# Altium PCB Connect.PcbDoc (part 2 of 2)
Units mm, origin at the board's own origin, x right, y up, seen from the top; angles counter-clockwise.
Board outline 480 x 50 mm, 2 copper layers (Top Layer, Bottom Layer); 349 components, 200 nets, 1147 pads, 734 vias.
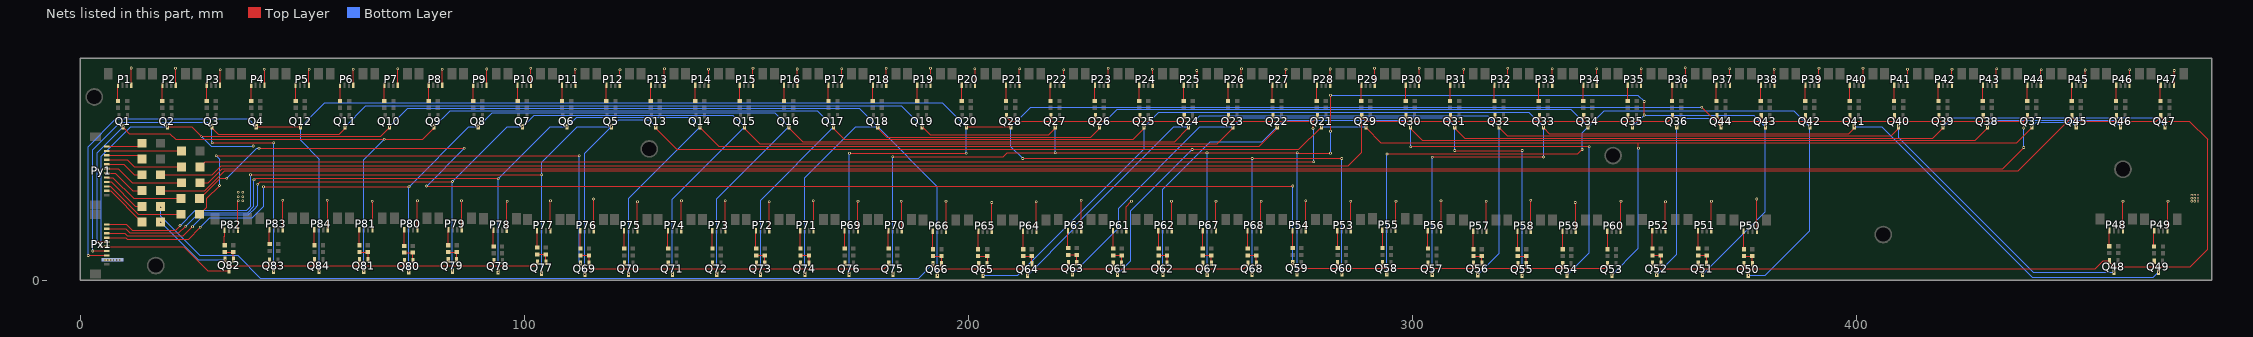
[diagram p2: the nets of this part, all layers, seen from the top]

## Via types
v1: diameter 1.27, hole 0.711, Top Layer to Bottom Layer, tented both sides, 396 vias
v2: diameter 0.6, hole 0.3, Top Layer to Bottom Layer, 231 vias
v3: diameter 0.5, hole 0.3, Top Layer to Bottom Layer, 107 vias

## Nets (pads, with @x,y where several pads share a name; then routed paths per layer and width w, separated by ;. In a path a pad name is that pad's centre, name@x,y a point inside that pad or via, vN(x,y) a via of type N, cw(c..) or ccw(c..) an arc to the next point about the centre after c; other vN are vias at no path point) (continued)
NetD4_1: D4.1 Q21.2 Q22.2 Q23.2 Q24.2 Q25.2 Q26.2 Q27.2 Q28.2 | length 339.4
  Top Layer w0.254: D4.1@26.992,25.527 28.135,26.67 v2(277.749,26.67) ; Q28.2@208.621,37.064 208.621,36.743 209.55,35.814 218.567,35.814 ; Q27.2@218.617,37.064 218.617,35.864 218.567,35.814 ; Q26.2@228.613,37.064 228.613,35.827 228.6,35.814 ; Q25.2@238.609,37.064 238.609,35.838 238.633,35.814 ; Q24.2@248.605,37.064 248.605,35.875 248.666,35.814 ; Q23.2@258.601,37.064 258.601,35.843 258.572,35.814 ; Q22.2@268.597,37.064 268.597,35.822 268.605,35.814 ; v2(277.622,34.163) 277.622,35.814 ; Q21.2@278.593,37.064 278.593,36.785 277.622,35.814 ; 218.567,35.814 228.6,35.814 ; 228.6,35.814 238.633,35.814 ; 238.633,35.814 248.666,35.814 ; 248.666,35.814 258.572,35.814 ; 258.572,35.814 268.605,35.814 ; 268.605,35.814 277.622,35.814
  Bottom Layer w0.254: v2(277.622,34.163) 277.749,34.036 v2(277.749,26.67)
NetD5_1: D5.1 Q29.2 Q30.2 Q31.2 Q32.2 Q33.2 Q34.2 Q35.2 Q36.2 | length 359.5
  Top Layer w0.254: D5.1@18.102,23.749 29.718,23.749 31.75,25.781 285.496,25.781 288.589,28.874 Q29.2@288.589,36.785 ; Q29.2@288.589,37.064 Q29.2@288.589,36.785 ; Q30.2@298.585,37.064 298.585,35.822 298.577,35.814 ; Q31.2@308.581,37.064 308.581,35.843 308.61,35.814 ; Q32.2@318.577,37.064 318.577,35.875 318.516,35.814 ; Q33.2@328.573,37.064 328.573,35.838 328.549,35.814 ; Q34.2@338.569,37.064 338.569,35.814 ; Q35.2@348.565,37.064 348.565,35.891 348.488,35.814 ; Q36.2@358.56,37.064 358.56,36.742 357.632,35.814 348.488,35.814 ; Q29.2@288.589,36.785 289.56,35.814 298.577,35.814 ; 298.577,35.814 308.61,35.814 ; 308.61,35.814 318.516,35.814 ; 318.516,35.814 328.549,35.814 ; 328.549,35.814 338.569,35.814 ; 338.569,35.814 348.488,35.814
NetD6_1: D6.1 Q37.2 Q38.2 Q39.2 Q40.2 Q41.2 Q42.2 Q43.2 Q44.2 | length 498.8
  Top Layer w0.254: D6.1@26.992,21.971 28.829,21.971 32.004,25.146 432.943,25.146 437.642,29.845 v2(437.642,29.909) ; Q44.2@368.556,37.064 368.556,36.828 369.57,35.814 378.587,35.814 ; Q43.2@378.552,37.064 378.552,35.849 378.587,35.814 ; Q42.2@388.548,37.064 388.548,35.886 388.62,35.814 ; Q41.2@398.544,37.064 398.544,35.832 398.526,35.814 ; Q40.2@408.54,37.064 408.54,35.833 408.559,35.814 ; Q39.2@418.536,37.064 418.536,35.885 418.465,35.814 ; Q38.2@428.532,37.064 428.532,35.848 428.498,35.814 ; v2(437.642,34.29) 437.642,35.814 ; Q37.2@438.528,37.064 438.528,36.7 437.642,35.814 ; 378.587,35.814 388.62,35.814 ; 388.62,35.814 398.526,35.814 ; 398.526,35.814 408.559,35.814 ; 408.559,35.814 418.465,35.814 ; 418.465,35.814 428.498,35.814 ; 428.498,35.814 437.642,35.814
  Bottom Layer w0.254: v2(437.642,29.909) v2(437.642,34.29)
NetD7_1: D7.1 Q45.2 Q46.2 Q47.2 Q48.2 Q49.2 Q50.2 Q51.2 Q52.2 | length 629.8
  Top Layer w0.254: D7.1@18.102,20.193 28.067,20.193 32.512,24.638 436.419,24.638 Q45.2@448.524,36.743 ; Q52.2@354.063,3.81 354.063,3.442 354.965,2.54 364.363,2.54 ; Q51.2@364.36,3.81 364.36,2.543 364.363,2.54 ; Q50.2@374.664,3.683 374.664,2.554 374.65,2.54 ; Q45.2@448.524,37.064 Q45.2@448.524,36.743 ; Q46.2@458.52,37.064 458.52,35.864 458.47,35.814 ; Q49.2@467.045,4.298 467.045,3.114 466.979,3.048 ; Q47.2@468.516,37.064 Q47.2@468.516,36.843 ; 364.363,2.54 374.65,2.54 ; 374.65,2.54 453.771,2.54 455.572,4.341 Q48.2@457.006,4.341 457.006,4.004 457.962,3.048 466.979,3.048 ; Q45.2@448.524,36.743 449.453,35.814 458.47,35.814 ; 458.47,35.814 467.487,35.814 Q47.2@468.516,36.843 ; 466.979,3.048 475.107,3.048 479.044,6.985 479.044,31.75 474.98,35.814 469.519,35.814 468.516,36.817 Q47.2@468.516,36.843
NetD8_1: D8.1 Q53.2 Q54.2 Q55.2 Q56.2 Q57.2 Q58.2 Q59.2 Q60.2 | length 367.8
  Top Layer w0.254: D8.1@26.865,18.415 27.712,19.262 27.855,19.262 31.579,22.987 v2(33.02,22.987) ; v2(40.259,29.718) v2(86.487,29.718) ; v2(77.978,21.209) v2(273.05,21.209) ; v2(273.057,3.937) 273.057,3.676 274.056,2.677 283.21,2.677 ; Q60.2@283.167,3.937 283.167,2.72 283.21,2.677 ; Q58.2@293.276,3.937 293.276,2.771 293.37,2.677 ; Q57.2@303.513,3.81 303.513,2.694 303.53,2.677 ; Q56.2@313.756,3.79 313.756,2.738 313.817,2.677 ; Q55.2@323.733,3.683 323.733,2.687 323.723,2.677 ; Q54.2@333.843,3.683 333.843,2.717 333.883,2.677 ; Q53.2@343.953,3.683 343.953,3.339 343.291,2.677 333.883,2.677 ; 283.21,2.677 293.37,2.677 ; 293.37,2.677 303.53,2.677 ; 303.53,2.677 313.817,2.677 ; 313.817,2.677 323.723,2.677 ; 323.723,2.677 333.883,2.677
  Bottom Layer w0.254: v2(33.02,22.987) 39.751,29.718 v2(40.259,29.718) ; v2(77.978,21.209) v2(86.487,29.718) ; v2(273.05,21.209) 273.057,21.202 v2(273.057,3.937)
NetD9_1: D9.1 Q61.2 Q62.2 Q63.2 Q64.2 Q65.2 Q66.2 Q67.2 Q68.2 | length 263.2
  Top Layer w0.254: v2(18.102,16.442) D9.1@18.102,16.637 ; v2(192.024,3.683) Q66.2@192.05,3.683 192.05,3.403 192.913,2.54 202.311,2.54 ; Q65.2@202.333,3.683 202.333,2.562 202.311,2.54 ; Q64.2@212.397,3.683 212.397,2.614 212.471,2.54 ; Q63.2@222.507,3.937 222.507,2.543 222.504,2.54 ; Q61.2@232.617,3.81 232.617,2.587 232.664,2.54 ; Q62.2@242.854,3.81 242.854,2.637 242.951,2.54 ; Q67.2@252.837,3.81 252.837,2.56 252.857,2.54 ; Q68.2@262.947,3.81 262.763,3.626 262.763,3.302 262.001,2.54 252.857,2.54 ; 202.311,2.54 212.471,2.54 ; 212.471,2.54 222.504,2.54 ; 222.504,2.54 232.664,2.54 ; 232.664,2.54 242.951,2.54 ; 242.951,2.54 252.857,2.54
  Bottom Layer w0.254: v2(18.102,16.442) 18.102,14.41 26.924,5.588 35.433,5.588 40.576,0.445 188.785,0.445 v2(192.024,3.683)
NetD10_1: D10.1 Q69.2 Q70.2 Q71.2 Q72.2 Q73.2 Q74.2 Q75.2 Q76.2 | length 200
  Top Layer w0.254: D10.1@26.865,14.859 28.448,16.442 28.448,18.415 v2(31.369,21.336) ; v2(30.607,28.067) v2(112.395,28.067) ; v2(112.695,3.81) 112.695,3.637 113.792,2.54 122.555,2.54 ; Q70.2@122.551,3.81 122.555,3.806 122.555,2.54 ; Q71.2@132.407,3.81 132.407,2.613 132.334,2.54 ; Q72.2@142.39,3.81 142.39,2.563 142.367,2.54 ; Q73.2@152.246,3.81 152.246,2.567 152.273,2.54 ; Q74.2@162.229,3.81 162.306,3.733 162.306,2.54 ; Q76.2@172.212,3.81 172.212,2.54 ; Q75.2@182.068,3.81 181.864,3.606 181.864,3.302 181.102,2.54 172.212,2.54 ; 122.555,2.54 132.334,2.54 ; 132.334,2.54 142.367,2.54 ; 142.367,2.54 152.273,2.54 ; 152.273,2.54 162.306,2.54 ; 162.306,2.54 172.212,2.54
  Bottom Layer w0.254: v2(30.607,28.067) 31.369,27.305 v2(31.369,21.336) ; v2(112.395,28.067) 112.395,4.11 v2(112.695,3.81)
NetD11_1: D11.1 Q77.2 Q78.2 Q79.2 Q80.2 Q81.2 Q82.2 Q83.2 Q84.2 | length 96.8
  Top Layer w0.254: Q82.2@32.578,4.379 33.655,3.302 42.545,3.302 ; Q83.2@42.611,4.532 42.611,3.368 42.545,3.302 ; Q84.2@52.798,4.572 52.798,3.336 52.832,3.302 ; Q81.2@62.908,4.572 62.908,3.386 62.992,3.302 ; Q80.2@73.018,4.445 73.018,3.309 73.025,3.302 ; Q79.2@82.873,4.572 82.873,3.371 82.804,3.302 ; Q78.2@93.157,4.405 93.157,3.302 ; Q77.2@102.966,4.064 102.966,3.779 102.489,3.302 93.157,3.302 ; 42.545,3.302 52.832,3.302 ; 52.832,3.302 62.992,3.302 ; 62.992,3.302 73.025,3.302 ; 73.025,3.302 82.804,3.302 ; 82.804,3.302 93.157,3.302
  Bottom Layer w0.254: v2(18.102,13.081) 26.611,4.572 v2(32.639,4.572)
NetP1_4: P1.4 R85.2 | length 3.5
  Top Layer w0.254: P1.4@8.5,43.925 8.5,40.403 R85.2@8.509,40.394
NetP2_4: P2.4 R86.2 | length 3.5
  Top Layer w0.254: P2.4@18.5,43.925 18.5,40.402 R86.2@18.508,40.394
NetP3_4: P3.4 R87.2 | length 3.5
  Top Layer w0.254: P3.4@28.5,43.925 28.5,40.4 R87.2@28.506,40.394
NetP4_4: P4.4 R88.2 | length 3.5
  Top Layer w0.254: P4.4@38.5,43.925 38.5,40.399 R88.2@38.505,40.394
NetP5_4: P5.4 R89.2 | length 3.5
  Top Layer w0.254: P5.4@48.5,43.925 48.503,43.922 R89.2@48.503,40.394
NetP6_4: P6.4 R90.2 | length 3.5
  Top Layer w0.254: P6.4@58.5,43.925 58.502,43.923 R90.2@58.502,40.394
NetP7_4: P7.4 R91.2 | length 3.5
  Top Layer w0.254: R91.2@68.501,40.394 P7.4@68.501,43.924
NetP8_4: P8.4 R92.2 | length 3.5
  Top Layer w0.254: R92.2@78.499,40.394 P8.4@78.499,43.924
NetP9_4: P9.4 R93.2 | length 3.5
  Top Layer w0.254: R93.2@88.498,40.394 88.498,43.923 P9.4@88.5,43.925
NetP10_4: P10.4 R94.2 | length 3.5
  Top Layer w0.254: R94.2@98.496,40.394 98.496,43.921 P10.4@98.5,43.925
NetP11_4: P11.4 R95.2 | length 3.5
  Top Layer w0.254: R95.2@108.495,40.394 108.495,43.92 P11.4@108.5,43.925
NetP12_4: P12.4 R96.2 | length 3.5
  Top Layer w0.254: R96.2@118.494,40.394 118.494,43.919 P12.4@118.5,43.925
NetP13_4: P13.4 R97.2 | length 3.5
  Top Layer w0.254: R97.2@128.492,40.394 128.492,43.917 P13.4@128.5,43.925
NetP14_4: P14.4 R98.2 | length 3.5
  Top Layer w0.254: R98.2@138.491,40.394 138.491,43.916 P14.4@138.5,43.925
NetP15_4: P15.4 R99.2 | length 3.5
  Top Layer w0.254: R99.2@148.489,40.394 148.489,43.914 P15.4@148.5,43.925
NetP16_4: P16.4 R100.2 | length 3.5
  Top Layer w0.254: R100.2@158.488,40.394 158.488,43.913 P16.4@158.5,43.925
NetP17_4: P17.4 R101.2 | length 3.5
  Top Layer w0.254: R101.2@168.487,40.394 168.487,43.912 P17.4@168.5,43.925
NetP18_4: P18.4 R102.2 | length 3.5
  Top Layer w0.254: R102.2@178.485,40.394 178.485,43.91 P18.4@178.5,43.925
NetP19_4: P19.4 R103.2 | length 3.5
  Top Layer w0.254: R103.2@188.484,40.394 188.484,43.909 P19.4@188.5,43.925
NetP20_4: P20.4 R104.2 | length 3.5
  Top Layer w0.254: R104.2@198.482,40.394 198.482,43.907 P20.4@198.5,43.925
NetP21_4: P21.4 R105.2 | length 3.5
  Top Layer w0.254: R105.2@208.481,40.394 208.481,43.906 P21.4@208.5,43.925
NetP22_4: P22.4 R106.2 | length 3.5
  Top Layer w0.254: R106.2@218.48,40.394 218.48,43.905 P22.4@218.5,43.925
NetP23_4: P23.4 R107.2 | length 3.5
  Top Layer w0.254: R107.2@228.478,40.394 228.478,43.903 P23.4@228.5,43.925
NetP24_4: P24.4 R108.2 | length 3.5
  Top Layer w0.254: R108.2@238.477,40.394 238.477,43.902 P24.4@238.5,43.925
NetP25_4: P25.4 R109.2 | length 3.5
  Top Layer w0.254: R109.2@248.475,40.394 248.475,43.901 P25.4@248.5,43.925
NetP26_4: P26.4 R110.2 | length 3.5
  Top Layer w0.254: R110.2@258.474,40.394 258.474,43.899 P26.4@258.5,43.925
NetP27_4: P27.4 R111.2 | length 3.5
  Top Layer w0.254: R111.2@268.473,40.394 268.473,43.898 P27.4@268.5,43.925
NetP28_4: P28.4 R112.2 | length 3.5
  Top Layer w0.254: R112.2@278.471,40.394 278.471,43.896 P28.4@278.5,43.925
NetP29_4: P29.4 R113.2 | length 3.5
  Top Layer w0.254: R113.2@288.47,40.394 288.47,43.895 P29.4@288.5,43.925
NetP30_4: P30.4 R114.2 | length 3.5
  Top Layer w0.254: R114.2@298.468,40.394 298.468,43.894 P30.4@298.5,43.925
NetP31_4: P31.4 R115.2 | length 3.5
  Top Layer w0.254: R115.2@308.467,40.394 308.467,43.892 P31.4@308.5,43.925
NetP32_4: P32.4 R116.2 | length 3.5
  Top Layer w0.254: R116.2@318.466,40.394 318.466,43.891 P32.4@318.5,43.925
NetP33_4: P33.4 R117.2 | length 3.5
  Top Layer w0.254: R117.2@328.464,40.394 328.464,43.889 P33.4@328.5,43.925
NetP34_4: P34.4 R118.2 | length 3.5
  Top Layer w0.254: R118.2@338.463,40.394 338.463,43.888 P34.4@338.5,43.925
NetP35_4: P35.4 R119.2 | length 3.5
  Top Layer w0.254: R119.2@348.462,40.394 348.462,43.887 P35.4@348.5,43.925
NetP36_4: P36.4 R120.2 | length 3.5
  Top Layer w0.254: R120.2@358.46,40.394 358.46,43.885 P36.4@358.5,43.925
NetP37_4: P37.4 R121.2 | length 3.5
  Top Layer w0.254: R121.2@368.459,40.394 368.459,43.884 P37.4@368.5,43.925
NetP38_4: P38.4 R122.2 | length 3.5
  Top Layer w0.254: R122.2@378.457,40.394 378.457,43.882 P38.4@378.5,43.925
NetP39_4: P39.4 R123.2 | length 3.5
  Top Layer w0.254: R123.2@388.456,40.394 388.456,43.881 P39.4@388.5,43.925
NetP40_4: P40.4 R124.2 | length 3.5
  Top Layer w0.254: R124.2@398.455,40.394 398.455,43.88 P40.4@398.5,43.925
NetP41_4: P41.4 R125.2 | length 3.6
  Top Layer w0.254: R125.2@408.453,40.394 408.453,43.878 P41.4@408.5,43.925
NetP42_4: P42.4 R126.2 | length 3.6
  Top Layer w0.254: R126.2@418.452,40.394 418.452,43.877 P42.4@418.5,43.925
NetP43_4: P43.4 R127.2 | length 3.6
  Top Layer w0.254: R127.2@428.45,40.394 428.45,43.875 P43.4@428.5,43.925
NetP44_4: P44.4 R128.2 | length 3.6
  Top Layer w0.254: R128.2@438.449,40.394 438.449,43.874 P44.4@438.5,43.925
NetP45_4: P45.4 R129.2 | length 3.6
  Top Layer w0.254: R129.2@448.448,40.394 448.448,43.873 P45.4@448.5,43.925
NetP46_4: P46.4 R130.2 | length 3.6
  Top Layer w0.254: R130.2@458.446,40.394 458.446,43.871 P46.4@458.5,43.925
NetP47_4: P47.4 R131.2 | length 3.6
  Top Layer w0.254: R131.2@468.445,40.394 468.445,43.87 P47.4@468.5,43.925
NetP48_4: P48.4 R132.2 | length 3.6
  Top Layer w0.254: R132.2@456.937,7.671 456.937,11.145 P48.4@456.994,11.202
NetP49_4: P49.4 R133.2 | length 3.6
  Top Layer w0.254: R133.2@466.979,7.628 466.979,11.101 P49.4@467.037,11.159
NetP50_4: P50.4 R134.2 | length 4
  Top Layer w0.254: P50.4@374.581,11.014 374.65,10.945 R134.2@374.65,6.993
NetP51_4: P51.4 R135.2 | length 4
  Top Layer w0.254: P51.4@364.277,11.141 364.345,11.073 R135.2@364.345,7.12
NetP52_4: P52.4 R136.2 | length 4
  Top Layer w0.254: P52.4@353.981,11.141 354.048,11.073 R136.2@354.048,7.12
NetP53_4: P53.4 R137.2 | length 3.9
  Top Layer w0.254: P53.4@283.086,11.141 283.149,11.078 R137.2@283.149,7.247
NetP54_4: P54.4 R138.2 | length 3.9
  Top Layer w0.254: P54.4@272.976,11.141 273.038,11.079 R138.2@273.038,7.247
NetP55_4: P55.4 R139.2 | length 4
  Top Layer w0.254: P55.4@293.196,11.268 293.259,11.205 R139.2@293.259,7.247
NetP56_4: P56.4 R140.2 | length 4
  Top Layer w0.254: P56.4@303.432,11.141 303.496,11.077 R140.2@303.496,7.12
NetP57_4: P57.4 R141.2 | length 4
  Top Layer w0.254: P57.4@313.669,11.014 313.734,10.949 R141.2@313.734,6.993
NetP58_4: P58.4 R142.2 | length 4
  Top Layer w0.254: P58.4@323.652,11.014 323.717,10.949 R142.2@323.717,6.993
NetP59_4: P59.4 R143.2 | length 4
  Top Layer w0.254: P59.4@333.761,11.014 333.827,10.948 R143.2@333.827,6.993
NetP60_4: P60.4 R144.2 | length 4
  Top Layer w0.254: P60.4@343.871,11.014 343.938,10.947 R144.2@343.938,6.993
NetP61_4: P61.4 R145.2 | length 4
  Top Layer w0.254: P61.4@232.537,11.141 232.597,11.082 R145.2@232.597,7.12
NetP62_4: P62.4 R146.2 | length 4
  Top Layer w0.254: P62.4@242.774,11.141 242.834,11.081 R146.2@242.834,7.12
NetP63_4: P63.4 R147.2 | length 4
  Top Layer w0.254: P63.4@222.428,11.141 222.428,7.247 R147.2@222.486,7.247
NetP64_4: P64.4 R148.2 | length 4.1
  Top Layer w0.254: P64.4@212.318,11.014 212.318,6.993 R148.2@212.376,6.993
NetP65_4: P65.4 R149.2 | length 4.3
  Top Layer w0.254: R149.2@202.254,6.731 P65.4@202.254,11.014
NetP66_4: P66.4 R150.2 | length 4.1
  Top Layer w0.254: P66.4@191.948,11.014 191.948,6.993 R150.2@192.028,6.993
NetP67_4: P67.4 R151.2 | length 4
  Top Layer w0.254: P67.4@252.757,11.141 252.817,11.08 R151.2@252.817,7.12
NetP68_4: P68.4 R152.2 | length 4
  Top Layer w0.254: P68.4@262.866,11.141 262.928,11.08 R152.2@262.928,7.12
NetP69_4: P69.4 R153.2 | length 4.1
  Top Layer w0.254: P69.4@172.11,11.141 172.11,7.12 R153.2@172.189,7.12
NetP70_4: P70.4 R154.2 | length 4.1
  Top Layer w0.254: P70.4@181.966,11.141 181.966,7.12 R154.2@182.045,7.12
NetP71_4: P71.4 R155.2 | length 4.1
  Top Layer w0.254: P71.4@162.128,11.141 162.128,7.12 R155.2@162.205,7.12
NetP72_4: P72.4 R156.2 | length 4.3
  Top Layer w0.254: P72.4@152.146,11.303 152.146,7.12 R156.2@152.222,7.12
NetP73_4: P73.4 R157.2 | length 4.1
  Top Layer w0.254: P73.4@142.291,11.141 142.291,7.12 R157.2@142.365,7.12
NetP74_4: P74.4 R158.2 | length 4.1
  Top Layer w0.254: P74.4@132.309,11.141 132.309,7.12 R158.2@132.382,7.12
NetP75_4: P75.4 R159.2 | length 4.1
  Top Layer w0.254: P75.4@122.453,11.141 122.453,7.12 R159.2@122.526,7.12
NetP76_4: P76.4 R160.2 | length 4.1
  Top Layer w0.254: P76.4@112.598,11.141 112.598,7.12 R160.2@112.669,7.12
NetP77_4: P77.4 R161.2 | length 4.1
  Top Layer w0.254: R161.2@102.87,7.12 R161.2@102.87,7.374 ; P77.4@102.87,11.176 R161.2@102.87,7.374 ; R161.2@102.94,7.374 R161.2@102.87,7.374
NetP78_4: P78.4 R162.2 | length 4.1
  Top Layer w0.254: R162.2@93.015,7.247 R162.2@93.015,7.628 ; P78.4@93.015,11.268 R162.2@93.015,7.628 ; R162.2@93.084,7.628 R162.2@93.015,7.628
NetP79_4: P79.4 R163.2 | length 3.9
  Top Layer w0.254: R163.2@82.797,7.882 R163.2@82.846,7.882 ; R163.2@82.924,7.501 P79.4@82.924,11.395
NetP80_4: P80.4 R164.2 | length 3.7
  Top Layer w0.254: P80.4@72.942,11.395 72.942,7.755 R164.2@72.99,7.755
NetP81_4: P81.4 R165.2 | length 3.4
  Top Layer w0.254: P81.4@62.814,11.176 62.814,7.882 R165.2@62.88,7.882
NetP82_4: P82.4 R166.2 | length 3.5
  Top Layer w0.254: P82.4@32.503,11.268 32.503,9.957 32.487,9.94 32.487,7.882 R166.2@32.549,7.882
NetP83_4: P83.4 R167.2 | length 3.1
  Top Layer w0.254: P83.4@42.596,11.176 42.596,8.136 R167.2@42.659,8.136
NetP84_4: P84.4 R168.2 | length 3.5
  Top Layer w0.254: R168.2@52.722,7.882 P84.4@52.722,11.395
P00: Px1.1 Q5.3 Q13.3 Q21.3 Q29.3 Q37.3 Q45.3 Q53.3 Q61.3 Q69.3 Q77.3 | length 595.2
  Top Layer w0.254: Px1.1@6.004,12.587 10.4,12.587 11.684,11.303 21.463,11.303 v2(22.479,12.319) ; v2(38.354,23.749) v2(103.916,23.749) ; v2(103.916,1.554) Q77.3@103.916,1.564 ; Q69.3@113.391,1.564 Q69.3@113.645,1.31 v2(113.645,1.29) ; v2(129.603,34.564) 129.603,34.227 134.447,29.383 134.528,29.464 v2(250.444,29.464) 274.443,29.464 v2(279.543,34.564) ; v2(289.56,34.544) 289.56,34.29 292.862,30.988 350.774,30.988 ; v2(350.901,29.718) 350.901,30.861 350.774,30.988 ; v2(439.478,34.564) 439.478,34.348 436.118,30.988 350.774,30.988
  Bottom Layer w0.254: v2(22.479,12.319) 25.908,15.748 37.465,15.748 38.354,16.637 v2(38.354,23.749) ; v2(103.916,1.554) v2(103.916,23.749) 103.916,26.573 111.887,34.544 v2(119.634,34.544) ; v2(113.645,1.29) 113.645,28.555 v2(119.634,34.544) ; v2(129.603,34.564) 127.973,36.195 121.285,36.195 v2(119.634,34.544) ; v2(233.567,1.31) 236.601,4.344 236.601,15.621 v2(250.444,29.464) ; v2(279.543,34.564) 289.54,34.564 v2(289.56,34.544) ; v2(344.903,1.183) 350.901,7.181 v2(350.901,29.718) ; v2(439.478,34.564) 440.474,35.56 448.437,35.56 v2(449.453,34.544)
P01: Px1.2 Q6.3 Q14.3 Q22.3 Q30.3 Q38.3 Q46.3 Q54.3 Q62.3 Q70.3 Q78.3 | length 665.6
  Top Layer w0.254: Px1.2@6.004,11.587 10.257,11.587 11.176,10.668 22.225,10.668 v2(23.749,12.192) ; v2(39.116,22.606) 39.497,22.987 93.98,22.987 v2(94.107,22.86) ; v2(94.107,1.778) Q78.3@94.107,1.905 ; v2(109.612,34.555) Q6.3@109.612,34.564 ; v2(123.484,1.31) Q70.3@123.501,1.31 ; Q14.3@139.599,34.391 143.764,30.226 265.557,30.226 Q22.3@269.547,34.216 ; v2(243.804,1.306) Q62.3@243.804,1.31 ; Q30.3@299.535,34.564 v2(299.573,34.564) ; v2(299.593,30.099) 299.639,30.145 339.806,30.145 v2(339.852,30.099) ; Q30.3@299.593,34.544 299.593,34.163 302.26,31.496 426.72,31.496 429.482,34.258 v2(429.482,34.564)
  Bottom Layer w0.254: v2(23.749,12.192) 26.797,15.24 37.675,15.24 39.116,16.681 v2(39.116,22.606) ; v2(94.107,1.778) v2(94.107,22.86) 105.802,34.555 v2(109.612,34.555) 111.76,36.703 137.414,36.703 v2(139.573,34.544) 123.484,18.455 v2(123.484,1.31) ; v2(243.804,1.306) 243.804,20.538 254.508,31.242 266.225,31.242 v2(269.547,34.564) 269.547,34.597 271.018,36.068 298.069,36.068 v2(299.573,34.564) 299.593,34.544 v2(299.593,30.099) ; v2(334.793,1.183) 339.852,6.242 v2(339.852,30.099) ; v2(429.482,34.564) 430.986,36.068 457.962,36.068 v2(459.486,34.544)
P02: Px1.3 Q7.3 Q15.3 Q23.3 Q31.3 Q39.3 Q47.3 Q55.3 Q63.3 Q71.3 Q79.3 | length 649.8
  Top Layer w0.254: Px1.3@6.004,10.587 9.987,10.587 10.541,10.033 23.241,10.033 v2(25.273,12.065) ; v2(40.005,21.59) 40.559,22.144 83.739,22.144 v2(83.824,22.229) ; Q79.3@83.824,1.782 v2(83.824,2.072) ; Q15.3@149.595,34.544 149.595,34.174 153.035,30.734 256.032,30.734 259.551,34.253 v2(259.551,34.564) ; v2(223.417,1.397) Q63.3@223.457,1.437 ; v2(309.499,29.21) v2(324.739,29.21) ; v2(309.531,34.564) 309.531,34.258 311.785,32.004 417.195,32.004 419.486,34.295 v2(419.486,34.564)
  Bottom Layer w0.254: v2(25.273,12.065) 27.94,14.732 37.886,14.732 39.624,16.47 39.624,16.51 40.005,16.891 v2(40.005,21.59) ; v2(83.824,2.072) v2(83.824,22.229) 96.159,34.564 v2(99.616,34.564) 102.263,37.211 146.939,37.211 v2(149.606,34.544) 133.357,18.295 v2(133.357,1.31) ; v2(223.417,1.397) 233.811,11.791 233.811,16.26 252.115,34.564 v2(259.551,34.564) 261.563,36.576 307.455,36.576 309.499,34.532 v2(309.499,29.21) ; v2(324.739,1.143) v2(324.739,29.21) ; v2(419.486,34.564) 421.498,36.576 467.487,36.576 v2(469.519,34.544)
P03: Px1.4 Q8.3 Q16.3 Q24.3 Q32.3 Q40.3 Q48.3 Q56.3 Q64.3 Q72.3 Q80.3 | length 634.1
  Top Layer w0.254: Px1.4@6.004,9.587 10.225,9.587 10.541,9.271 24.384,9.271 v2(27.051,11.938) ; v2(41.275,21.082) v2(74.041,21.082) ; Q72.3@143.34,1.31 v2(143.34,1.354) ; v2(159.591,34.564) 159.591,34.338 162.687,31.242 246.507,31.242 Q24.3@249.555,34.29 ; Q32.3@319.532,34.559 319.532,34.29 321.31,32.512 407.797,32.512 Q40.3@409.49,34.205 ; Q40.3@409.49,34.564 v2(409.51,34.544)
  Bottom Layer w0.254: v2(27.051,11.938) 29.21,14.097 38.735,14.097 41.275,16.637 v2(41.275,21.082) ; v2(73.968,1.945) 73.968,21.009 v2(74.041,21.082) 87.503,34.544 v2(89.662,34.544) 92.837,37.719 156.436,37.719 v2(159.591,34.564) 143.34,18.313 v2(143.34,1.354) ; v2(213.347,1.183) 223.778,11.614 223.778,12.072 246.25,34.544 v2(249.555,34.544) 252.095,37.084 317.007,37.084 v2(319.527,34.564) 319.527,6.121 319.532,6.116 v2(314.706,1.29) ; v2(409.51,34.544) 409.51,32.069 439.801,1.778 v2(457.962,1.778)
P04: Px1.5 Q1.3 Q9.3 Q17.3 Q25.3 Q33.3 Q41.3 Q49.3 Q57.3 Q65.3 Q73.3 Q81.3 | length 698.1
  Top Layer w0.254: v2(3.81,8.636) 5.955,8.636 Px1.5@6.004,8.587 ; v2(9.652,34.564) 9.652,34.417 11.049,33.02 20.193,33.02 21.463,31.75 v2(68.453,31.75) 77.089,31.75 79.375,34.036 Q9.3@79.629,34.036 ; v2(63.858,2.055) Q81.3@63.858,2.072 ; Q17.3@169.587,34.248 172.085,31.75 237.109,31.75 239.559,34.2 v2(239.559,34.564) ; v2(304.461,27.688) 304.461,27.771 v2(329.523,27.771) ; v2(329.523,34.564) 329.523,34.332 330.835,33.02 398.272,33.02 Q41.3@399.494,34.242 ; Q41.3@399.494,34.564 v2(399.514,34.544)
  Bottom Layer w0.254: v2(3.81,8.636) 3.81,28.722 v2(9.652,34.564) ; v2(63.858,2.055) 63.858,27.155 v2(68.453,31.75) ; v2(79.624,34.564) 83.287,38.227 165.989,38.227 v2(169.672,34.544) 153.196,18.068 v2(153.196,1.31) ; v2(203.327,1.143) 211.074,1.143 239.559,29.628 v2(239.559,34.564) 242.841,37.846 326.241,37.846 v2(329.523,34.564) v2(329.523,27.771) ; v2(304.461,27.688) 304.463,27.686 v2(304.463,1.31) ; v2(399.514,34.544) 405.638,34.544 439.547,0.635 466.852,0.635 v2(467.995,1.778)
P05: Px1.6 Q2.3 Q10.3 Q18.3 Q26.3 Q34.3 Q42.3 Q50.3 Q58.3 Q66.3 Q74.3 Q82.3 | length 665.8
  Top Layer w0.254: v2(4.699,7.62) 5.971,7.62 Px1.6@6.004,7.587 23.274,7.587 28.702,2.159 33.508,2.159 Q82.3@33.528,2.179 ; v2(19.648,34.564) 25.126,34.564 v3(27.305,32.385) 67.691,32.385 69.628,34.322 v2(69.628,34.564) ; v2(179.583,34.564) 179.583,34.285 181.61,32.258 227.584,32.258 229.563,34.237 v2(229.563,34.564) ; v2(294.259,28.448) 294.263,28.452 329.805,28.452 329.808,28.448 337.185,28.448 v2(338.201,29.464) ; Q34.3@339.519,34.564 v2(339.539,34.544)
  Bottom Layer w0.254: v2(4.699,7.62) 4.699,27.94 11.323,34.564 v2(19.648,34.564) ; v3(27.305,32.385) 29.464,30.226 v2(38.989,30.226) ; v2(69.628,34.564) 73.799,38.735 175.412,38.735 v2(179.583,34.564) ; v2(163.179,1.31) 163.179,23.098 174.645,34.564 v2(179.583,34.564) ; v2(193.04,1.143) 193.04,21.107 v2(179.583,34.564) ; v2(229.563,34.564) 233.48,38.481 335.602,38.481 v2(339.539,34.544) ; v2(294.259,1.397) v2(294.259,28.448) ; v2(338.201,29.464) 338.201,33.206 v2(339.539,34.544) ; v2(375.666,1.143) 379.476,1.143 389.498,11.165 v2(389.498,34.564) 385.916,38.146 343.141,38.146 v2(339.539,34.544)
P06: Px1.7 Q3.3 Q11.3 Q19.3 Q27.3 Q35.3 Q43.3 Q51.3 Q59.3 Q67.3 Q75.3 Q83.3 | length 643.9
  Top Layer w0.254: v2(2.794,6.604) 5.987,6.604 Px1.7@6.004,6.587 ; v2(29.644,34.564) 29.644,34.364 31.115,32.893 58.293,32.893 59.632,34.232 v2(59.632,34.564) ; v2(29.697,30.988) v2(43.561,30.988) ; v2(183.007,27.813) 207.899,27.813 208.788,28.702 v2(219.583,28.702) v2(253.746,28.702) v2(274.066,28.702) 274.193,28.575 v2(281.559,28.575) ; Q75.3@183.018,1.31 v2(183.018,1.386) ; v2(189.579,34.564) 191.377,32.766 218.059,32.766 219.329,34.036 Q27.3@219.583,34.036 ; v2(219.567,34.56) Q27.3@219.567,34.564 ; v2(281.559,33.528) v2(281.559,41.656) ; v2(352.171,37.211) v2(352.171,40.259) ; Q43.3@379.476,34.036 Q43.3@379.603,34.036
  Bottom Layer w0.254: v2(2.794,6.604) 2.794,29.337 9.017,35.56 28.648,35.56 v2(29.644,34.564) 29.644,31.041 v2(29.697,30.988) ; v2(43.561,2.032) v2(43.561,30.988) ; v2(59.632,34.564) 64.311,39.243 184.9,39.243 v2(189.579,34.564) ; v2(183.007,27.813) 183.018,27.802 v2(183.018,1.386) ; v2(219.567,34.56) 219.567,28.718 v2(219.583,28.702) ; v2(253.746,1.27) v2(253.746,28.702) ; v2(274.007,1.437) v2@274.007,28.643 ; v2@281.432,33.401 v2(281.559,33.528) v2(281.559,28.575) ; v2(281.559,41.656) 350.774,41.656 v2(352.171,40.259) ; v2(349.504,34.544) v2(352.171,37.211) 376.809,37.211 v2(379.476,34.544) 379.476,15.447 376.344,12.315 376.294,12.315 365.339,1.36 v2(365.339,1.31)
P07: Px1.8 Q4.3 Q12.3 Q20.3 Q28.3 Q36.3 Q44.3 Q52.3 Q60.3 Q68.3 Q76.3 Q84.3 | length 681.1
  Top Layer w0.254: v2(1.778,5.588) v2(1.778,5.588) Px1.8@6.004,5.587 ; Q4.3@39.64,34.564 v2(49.636,34.564) ; Q76.3@173.101,0.889 Q76.3@173.228,0.889 ; v2(173.228,28.575) v2(199.517,28.575) ; v2(199.537,34.564) Q20.3@199.575,34.564 Q28.3@209.571,34.564 ; v2(212.217,27.432) v2(263.906,27.432) v2(284.117,27.432) ; v2(354.973,1.27) Q52.3@355.013,1.31 ; Q36.3@359.51,34.063 Q36.3@359.537,34.089 ; v2(365.125,38.989) 365.125,38.945 Q44.3@369.506,34.564
  Bottom Layer w0.254: v2(1.778,5.588) 1.778,30.099 8.001,36.322 37.846,36.322 v2(39.624,34.544) ; v2(53.848,2.032) 53.848,27.305 49.636,31.517 v2(49.636,34.564) 55.077,40.005 194.096,40.005 v2(199.537,34.564) 199.537,28.595 v2(199.517,28.575) ; v2(173.162,1.31) 173.228,1.376 v2(173.228,28.575) ; v2(212.217,27.432) 209.55,30.099 v2(209.55,34.544) 213.995,38.989 v2(365.125,38.989) ; v2(263.897,1.31) 263.897,27.423 v2(263.906,27.432) ; v2(284.117,1.437) v2(284.117,27.432) ; v2(354.973,1.27) 359.537,5.834 v2(359.537,34.544) 361.442,36.449 367.665,36.449 v2(369.57,34.544)
P11: D1.2 Py1.1 | length 8.2
  Top Layer w0.254: Py1.1@6.004,30.138 13.179,30.138 D1.2@13.902,30.861
P12: D2.2 Py1.2 | length 16.8
  Top Layer w0.254: Py1.2@6.004,29.138 22.737,29.138 D2.2@22.792,29.083
P13: D3.2 Py1.3 | length 8.2
  Top Layer w0.254: Py1.3@6.004,28.138 13.069,28.138 D3.2@13.902,27.305
P14: D4.2 Py1.4 | length 17.5
  Top Layer w0.254: Py1.4@6.004,27.138 10.581,27.138 12.192,25.527 D4.2@22.792,25.527
P15: D5.2 Py1.5 | length 8.9
  Top Layer w0.254: Py1.5@6.004,26.138 9.803,26.138 12.192,23.749 D5.2@13.902,23.749
P16: D6.2 Py1.6 | length 18.1
  Top Layer w0.254: Py1.6@6.004,25.138 8.517,25.138 11.684,21.971 D6.2@22.792,21.971
P17: D7.2 Py1.7 | length 9.5
  Top Layer w0.254: Py1.7@6.004,24.138 7.866,24.138 11.811,20.193 D7.2@13.902,20.193
P24: D11.2 Py1.11 | length 10.8
  Top Layer w0.254: Py1.11@6.004,20.138 6.845,20.138 D11.2@13.902,13.081
P25: D10.2 Py1.10 | length 19.3
  Top Layer w0.254: Py1.10@6.004,21.138 6.802,21.138 13.081,14.859 D10.2@22.665,14.859
P26: D9.2 Py1.9 | length 10.2
  Top Layer w0.254: Py1.9@6.004,22.138 6.945,22.138 12.446,16.637 D9.2@13.902,16.637
P27: D8.2 Py1.8 | length 18.6
  Top Layer w0.254: Py1.8@6.004,23.138 7.342,23.138 12.065,18.415 D8.2@22.665,18.415
RECORD: Q50.1 R50.2 R134.1 | length 3.7
  Top Layer w0.254: R134.1@374.65,5.453 R50.2@376.555,5.453 376.555,3.692 Q50.1@376.564,3.683
REPLAY: Q74.1 R74.2 R155.1 | length 3.7
  Top Layer w0.254: R155.1@162.205,5.58 R74.2@164.11,5.58 164.129,5.58 Q74.1@164.129,3.81
RHY1: Q61.1 R61.2 R145.1 | length 3.7
  Top Layer w0.254: R145.1@232.597,5.58 R61.2@234.502,5.58 234.502,3.825 Q61.1@234.517,3.81
RHY2: Q62.1 R62.2 R146.1 | length 3.7
  Top Layer w0.254: R146.1@242.834,5.58 R62.2@244.739,5.58 244.739,3.825 Q62.1@244.754,3.81
RHY3: Q55.1 R55.2 R142.1 | length 3.7
  Top Layer w0.254: R142.1@323.717,5.453 R55.2@325.622,5.453 325.622,3.694 Q55.1@325.633,3.683
RHY4: Q56.1 R56.2 R141.1 | length 3.7
  Top Layer w0.254: R141.1@313.734,5.453 R56.2@315.639,5.453 315.639,3.694 Q56.1@315.65,3.683
RHY5: Q65.1 R65.2 R149.1 | length 3.8
  Top Layer w0.254: R149.1@202.393,5.453 R65.2@204.216,5.453 204.314,5.453 204.314,3.683 Q65.1@204.233,3.683
RHY6: Q66.1 R66.2 R150.1 | length 3.7
  Top Layer w0.254: R150.1@192.028,5.453 R66.2@193.933,5.453 193.95,5.453 Q66.1@193.95,3.683
RHY7: Q67.1 R67.2 R151.1 | length 3.7
  Top Layer w0.254: R151.1@252.817,5.58 R67.2@254.723,5.58 254.723,3.824 Q67.1@254.737,3.81
RHY8: Q68.1 R68.2 R152.1 | length 3.7
  Top Layer w0.254: R152.1@262.928,5.58 R68.2@264.833,5.58 264.833,3.824 Q68.1@264.847,3.81
RHY9: Q63.1 R63.2 R147.1 | length 3.7
  Top Layer w0.254: R147.1@222.486,5.707 R63.2@224.391,5.707 224.407,5.707 Q63.1@224.407,3.937
RHY10: Q64.1 R64.2 R148.1 | length 3.7
  Top Layer w0.254: R148.1@212.376,5.453 R64.2@214.281,5.453 214.297,5.453 Q64.1@214.297,3.683
RHY_EDIT: Q69.1 R69.2 R160.1 | length 3.7
  Top Layer w0.254: R160.1@112.669,5.58 R69.2@114.574,5.58 114.595,5.58 Q69.1@114.595,3.81
SINGLE: Q77.1 R77.2 R161.1 | length 3.7
  Top Layer w0.254: R161.1@102.94,5.834 R77.2@104.845,5.834 104.866,5.834 Q77.1@104.866,4.064
STOP: Q73.1 R73.2 R156.1 | length 3.7
  Top Layer w0.254: R156.1@152.222,5.58 R73.2@154.127,5.58 154.146,5.58 Q73.1@154.146,3.81
TEMPO+: Q79.1 R79.2 R163.1 | length 3.7
  Top Layer w0.254: R163.1@82.846,6.342 R79.2@84.751,6.342 84.774,6.342 Q79.1@84.774,4.572
TEMPO-: Q80.1 R80.2 R164.1 | length 3.7
  Top Layer w0.254: R164.1@72.99,6.215 R80.2@74.895,6.215 74.918,6.215 Q80.1@74.918,4.445
TONE1: Q52.1 R52.2 R136.1 | length 3.7
  Top Layer w0.254: R136.1@354.048,5.58 R52.2@355.953,5.58 355.953,3.82 Q52.1@355.963,3.81
TONE2: Q51.1 R51.2 R135.1 | length 3.7
  Top Layer w0.254: R135.1@364.345,5.58 R51.2@366.251,5.58 366.251,3.819 Q51.1@366.26,3.81
VCC: P1.1 P2.1 P3.1 P4.1 P5.1 P6.1 P7.1 P8.1 P9.1 P10.1 P11.1 P12.1 P13.1 P14.1 P15.1 P16.1 P17.1 P18.1 P19.1 P20.1 P21.1 P22.1 P23.1 P24.1 P25.1 P26.1 P27.1 P28.1 P29.1 P30.1 P31.1 P32.1 P33.1 P34.1 P35.1 P36.1 P37.1 P38.1 P39.1 P40.1 P41.1 P42.1 P43.1 P44.1 P45.1 P46.1 P47.1 P48.1 P49.1 P50.1 P51.1 P52.1 P53.1 P54.1 P55.1 P56.1 P57.1 P58.1 P59.1 P60.1 P61.1 P62.1 P63.1 P64.1 P65.1 P66.1 P67.1 P68.1 P69.1 P70.1 P71.1 P72.1 P73.1 P74.1 P75.1 P76.1 P77.1 P78.1 P79.1 P80.1 P81.1 P82.1 P83.1 P84.1 pad.2 Px1.9 | length 420.7
  Top Layer w0.254: v2(11.487,47.809) 11.5,47.809 P1.1@11.5,43.925 ; v2(21.463,47.752) 21.5,47.715 P2.1@21.5,43.925 ; v2(31.496,47.371) 31.5,47.367 P3.1@31.5,43.925 ; P82.1@35.503,11.268 35.503,17.85 v2(35.56,17.907) ; v2(41.471,47.498) 41.5,47.469 P4.1@41.5,43.925 ; v2(45.593,18.034) 45.613,18.014 P83.1@45.613,11.395 ; P5.1@51.5,43.925 51.5,47.436 v2(51.562,47.498) ; v2(55.626,18.034) 55.722,17.938 P84.1@55.722,11.395 ; v2(61.468,47.498) 61.5,47.466 P6.1@61.5,43.925 ; v2(65.786,17.78) 65.832,17.734 P81.1@65.832,11.395 ; P7.1@71.5,43.925 v2(71.501,47.625) v2(71.501,47.625) ; P80.1@75.942,11.395 75.942,17.903 v2(75.946,17.907) ; P8.1@81.5,43.925 81.5,47.464 v2(81.534,47.498) ; v2(85.852,17.907) 85.924,17.835 P79.1@85.924,11.395 ; P9.1@91.5,43.925 91.5,47.565 v2(91.507,47.565) ; P78.1@96.034,11.268 96.034,17.675 v2(96.139,17.78) ; v2(101.473,47.752) 101.5,47.725 P10.1@101.5,43.925 ; P77.1@105.89,11.141 105.89,17.879 v2(105.918,17.907) ; P11.1@111.5,43.925 111.5,47.492 v2(111.506,47.498) ; v2(115.57,18.288) 115.618,18.24 P76.1@115.618,11.141 ; P12.1@121.5,43.925 121.5,47.332 v2(121.539,47.371) ; P75.1@125.474,11.141 125.474,17.651 v2(125.476,17.653) ; P13.1@131.5,43.925 131.5,47.553 v2(131.572,47.625) ; P74.1@135.33,11.141 135.33,17.832 v2(135.382,17.885) ; v2(141.478,47.498) 141.5,47.476 P14.1@141.5,43.925 ; v2(145.288,17.907) 145.288,11.165 P73.1@145.312,11.141 ; P15.1@151.5,43.925 151.5,47.741 v2(151.511,47.752) ; P72.1@155.168,11.141 v3(155.168,17.679) ; P16.1@161.5,43.925 v2(161.5,47.581) ; v2(165.1,17.907) 165.151,17.856 P71.1@165.151,11.141 ; v2(171.45,47.625) 171.5,47.575 P17.1@171.5,43.925 ; P69.1@175.133,11.141 v2(175.133,17.78) ; v2(181.483,47.752) 181.5,47.735 P18.1@181.5,43.925 ; v2(184.912,17.78) 184.989,17.703 P70.1@184.989,11.141 ; v2(191.484,47.752) 191.5,47.736 P19.1@191.5,43.925 ; v2(194.945,17.78) 194.972,17.753 P66.1@194.972,11.014 ; v2(201.422,47.625) 201.5,47.547 P20.1@201.5,43.925 ; v2(205.232,17.526) 205.232,17.399 205.254,17.377 P65.1@205.254,11.014 ; P21.1@211.5,43.925 211.5,47.543 v2(211.582,47.625) ; v2(215.265,17.653) 215.318,17.6 P64.1@215.318,11.014 ; v2(221.488,47.371) 221.5,47.359 P22.1@221.5,43.925 ; v2(225.425,18.028) 225.428,18.031 P63.1@225.428,11.141 ; P23.1@231.5,43.925 231.5,47.731 v2(231.521,47.752) ; P61.1@235.537,11.141 235.537,16.589 v2(236.728,17.78) ; v2(241.427,47.498) 241.5,47.425 P24.1@241.5,43.925 ; v2(245.745,17.78) 245.774,17.751 P62.1@245.774,11.141 ; v2(251.46,47.244) 251.5,47.204 P25.1@251.5,43.925 ; P67.1@255.757,11.141 255.757,17.759 v2(255.778,17.78) ; v2(261.493,47.625) 261.5,47.618 P26.1@261.5,43.925 ; P68.1@265.866,11.141 265.866,17.708 v2(265.938,17.78) ; P27.1@271.5,43.925 271.5,47.472 v2(271.526,47.498) ; v2(275.971,17.907) 275.976,17.902 P54.1@275.976,11.141 ; P28.1@281.5,43.925 v2(281.5,47.557) ; P53.1@286.086,11.141 286.086,17.735 v2(286.131,17.78) ; v2(291.465,47.752) 291.5,47.717 P29.1@291.5,43.925 ; P55.1@296.195,11.268 296.195,17.684 v2(296.291,17.78) ; v2(301.498,47.752) 301.5,47.75 P30.1@301.5,43.925 ; P56.1@306.432,11.141 v2(306.432,17.888) ; P31.1@311.5,43.925 311.5,47.467 v2(311.531,47.498) ; v2(316.611,17.78) 316.669,17.722 P57.1@316.669,11.014 ; v2(321.437,47.752) 321.5,47.689 P32.1@321.5,43.925 ; v2(326.636,18.026) 326.652,18.026 P58.1@326.652,11.014 ; v2(331.47,47.625) 331.5,47.595 P33.1@331.5,43.925 ; v2(336.677,17.526) 336.761,17.442 P59.1@336.761,11.014 ; P34.1@341.5,43.925 341.5,47.622 v2(341.503,47.625) ; P60.1@346.871,11.014 346.871,17.687 v2(346.964,17.78) ; P35.1@351.5,43.925 351.5,47.589 v2(351.536,47.625) ; P52.1@356.981,11.141 356.981,17.637 v2(356.997,17.653) ; v2(361.442,47.879) 361.5,47.821 P36.1@361.5,43.925 ; P51.1@367.277,11.141 367.344,11.208 v2(367.344,17.78) ; v2(371.475,47.625) 371.5,47.6 P37.1@371.5,43.925 ; v2(377.571,18.288) 377.581,18.278 P50.1@377.581,11.014 ; P38.1@381.5,43.925 381.5,47.49 v2(381.508,47.498) ; P39.1@391.5,43.925 391.5,47.711 v2(391.541,47.752) ; v2(401.447,47.752) 401.5,47.699 P40.1@401.5,43.925 ; v2(411.48,47.498) 411.5,47.478 P41.1@411.5,43.925 ; P42.1@421.5,43.925 421.5,47.485 v2(421.513,47.498) ; P43.1@431.5,43.925 431.5,47.579 v2(431.546,47.625) ; P44.1@441.5,43.925 441.5,47.292 v2(441.579,47.371) ; P45.1@451.5,43.925 v2(451.5,47.356) ; P48.1@459.994,11.202 v2(459.994,17.78) ; P46.1@461.5,43.925 461.5,47.353 v2(461.518,47.371) ; P49.1@470.037,11.032 P49.1@470.037,11.159 470.037,17.663 v2(470.154,17.78) ; P47.1@471.5,43.925 471.5,47.193 v2(471.551,47.244)
  other v3: 5.588,4.572 6.223,4.572 6.858,4.572 7.493,4.572 8.255,4.572 8.89,4.572 475.488,17.78 476.186,17.78 476.885,17.78 36.576,17.907 475.488,18.479 476.186,18.479 476.885,18.479 35.56,18.796 36.576,18.796 475.488,19.177 476.186,19.177 476.885,19.177 35.56,19.812 36.576,19.812
VOL+: Q81.1 R81.2 R165.1 | length 3.7
  Top Layer w0.254: R165.1@62.88,6.342 R81.2@64.785,6.342 64.808,6.342 Q81.1@64.808,4.572
VOL-: Q82.1 R82.2 R166.1 | length 3.6
  Top Layer w0.254: R166.1@32.549,6.342 R82.2@34.454,6.342 34.478,6.342 Q82.1@34.478,4.679
pads on no net: P1.0 P1.3 P2.0 P2.3 P3.0 P3.3 P4.0 P4.3 P5.0 P5.3 P6.0 P6.3 P7.0 P7.3 P8.0 P8.3 P9.0 P9.3 P10.0 P10.3 P11.0 P11.3 P12.0 P12.3 P13.0 P13.3 P14.0 P14.3 P15.0 P15.3 P16.0 P16.3 P17.0 P17.3 P18.0 P18.3 P19.0 P19.3 P20.0 P20.3 P21.0 P21.3 P22.0 P22.3 P23.0 P23.3 P24.0 P24.3 P25.0 P25.3 P26.0 P26.3 P27.0 P27.3 P28.0 P28.3 P29.0 P29.3 P30.0 P30.3 P31.0 P31.3 P32.0 P32.3 P33.0 P33.3 P34.0 P34.3 P35.0 P35.3 P36.0 P36.3 P37.0 P37.3 P38.0 P38.3 P39.0 P39.3 P40.0 P40.3 P41.0 P41.3 P42.0 P42.3 P43.0 P43.3 P44.0 P44.3 P45.0 P45.3 P46.0 P46.3 P47.0 P47.3 P48.0 P48.3 P49.0 P49.3 P50.0 P50.3 P51.0 P51.3 P52.0 P52.3 P53.0 P53.3 P54.0 P54.3 P55.0 P55.3 P56.0 P56.3 P57.0 P57.3 P58.0 P58.3 P59.0 P59.3 P60.0 P60.3 P61.0 P61.3 P62.0 P62.3 P63.0 P63.3 P64.0 P64.3 P65.0 P65.3 P66.0 P66.3 P67.0 P67.3 P68.0 P68.3 P69.0 P69.3 P70.0 P70.3 P71.0 P71.3 P72.0 P72.3 P73.0 P73.3 P74.0 P74.3 P75.0 P75.3 P76.0 P76.3 P77.0 P77.3 P78.0 P78.3 P79.0 P79.3 P80.0 P80.3 P81.0 P81.3 P82.0 P82.3 P83.0 P83.3 P84.0 P84.3 Px1.0 Py1.0 Py1.12

## Polygon pours and split planes (outlines as drawn)
GND on Top Layer "GND_L01_P004" (hatched 90Degree grid 0 track 0.254, remove dead copper, pour order 4): 480,0 480,50 0,50 0,0
GND on Bottom Layer "GND_L02_P006" (hatched 90Degree grid 0 track 0.254, remove dead copper, pour order 6): 480,0 480,50 0,50 0,0

## Keep-outs
Keep-Out Layer:
  the board outline again, w0.127

## Other copper
Top Layer:
  rectangle net VCC: 35.179,17.272 478.155,20.447
  rectangle net VCC: 5.207,4.191 9.271,4.953
Bottom Layer:
  rectangle net VCC: 474.853,17.272 478.282,48.133
  rectangle net VCC: 7.747,45.339 478.282,48.895
  rectangle net VCC: 6.985,17.272 36.83,20.447
  rectangle net VCC: 6.985,4.191 9.906,20.32

## Silkscreen, mask and mechanical layers (free items; w line width, h text height)
Top Overlay:
  text "C4" at 7.112,34.036 h3 r90
  text "C4#" at 17.108,34.036 h3 r90
  text "D4" at 27.104,34.036 h3 r90
  text "D4#" at 37.1,34.036 h3 r90
  text "E4" at 47.096,34.036 h3 r90
  text "F4" at 57.092,34.036 h3 r90
  text "F4#" at 67.088,34.036 h3 r90
  text "G4" at 77.084,34.036 h3 r90
  text "G4#" at 87.08,34.036 h3 r90
  text "A4" at 97.076,34.036 h3 r90
  text "A4#" at 107.072,34.036 h3 r90
  text "B4" at 117.068,34.036 h3 r90
  text "C5" at 127.063,34.036 h3 r90
  text "C5#" at 137.059,34.036 h3 r90
  text "D5" at 147.055,34.036 h3 r90
  text "D5#" at 157.051,34.036 h3 r90
  text "E5" at 167.047,34.036 h3 r90
  text "F5" at 177.043,34.036 h3 r90
  text "F5#" at 187.039,34.036 h3 r90
  text "G5" at 197.035,34.036 h3 r90
  text "G5#" at 207.031,34.036 h3 r90
  text "A5" at 217.027,34.036 h3 r90
  text "A5#" at 227.023,34.036 h3 r90
  text "B5" at 237.019,34.036 h3 r90
  text "C6" at 247.015,34.036 h3 r90
  text "C6#" at 257.011,34.036 h3 r90
  text "D6" at 267.007,34.036 h3 r90
  text "D6#" at 277.003,34.036 h3 r90
  text "E6" at 286.999,34.036 h3 r90
  text "F6" at 296.995,34.036 h3 r90
  text "F6#" at 306.991,34.036 h3 r90
  text "G6" at 316.987,34.036 h3 r90
  text "G6#" at 326.983,34.036 h3 r90
  text "A6" at 336.979,34.036 h3 r90
  text "A6#" at 346.975,34.036 h3 r90
  text "B6" at 356.97,34.036 h3 r90
  text "C7" at 366.966,34.036 h3 r90
  text "C7#" at 376.962,34.036 h3 r90
  text "D7" at 386.958,34.036 h3 r90
  text "D7#" at 396.954,34.036 h3 r90
  text "E7" at 406.95,34.036 h3 r90
  text "F7" at 416.946,34.036 h3 r90
  text "F7#" at 426.942,34.036 h3 r90
  text "G7" at 436.938,34.036 h3 r90
  text "G7#" at 446.934,34.036 h3 r90
  text "A7" at 456.93,34.036 h3 r90
  text "A7#" at 466.926,34.036 h3 r90
  text "B7" at 455.416,1.313 h3 r90
  text "C8" at 465.455,1.143 h3 r90
  text "LEA" at 40.857,0.762 h3 r90
  text "DEM" at 50.979,0.762 h3 r90
  text "VO+" at 61.102,0.762 h3 r90
  text "TE-" at 71.225,0.762 h3 r90
  text "TE+" at 81.22,0.762 h3 r90
  text "VO-" at 30.734,0.635 h3 r90
  text "FIN" at 91.343,0.635 h3 r90
  text "RH0" at 210.783,0.635 h3 r90
  text "DR6" at 291.764,0.635 h3 r90
  text "SIN" at 101.212,0.508 h3 r90
  text "RHY" at 110.953,0.508 h3 r90
  text "DRU" at 120.822,0.508 h3 r90
  text "DR3" at 130.69,0.508 h3 r90
  text "DR4" at 140.686,0.508 h3 r90
  text "STO" at 150.555,0.508 h3 r90
  text "reP" at 160.55,0.508 h3 r90
  text "Fil" at 170.546,0.508 h3 r90
  text "1K1" at 180.415,0.508 h3 r90
  text "RH9" at 220.905,0.508 h3 r90
  text "RH1" at 231.028,0.508 h3 r90
  text "RH2" at 241.278,0.508 h3 r90
  text "RH7" at 251.273,0.508 h3 r90
  text "RH8" at 261.396,0.508 h3 r90
  text "DR7" at 271.518,0.508 h3 r90
  text "DR8" at 281.641,0.508 h3 r90
  text "DR5" at 302.013,0.508 h3 r90
  text "TO1" at 352.627,0.508 h3 r90
  text "TO2" at 362.936,0.508 h3 r90
  text "RH6" at 190.41,0.381 h3 r90
  text "RH5" at 200.787,0.381 h3 r90
  text "RH4" at 312.263,0.381 h3 r90
  text "RH3" at 322.259,0.381 h3 r90
  text "DR2" at 332.381,0.381 h3 r90
  text "DR1" at 342.504,0.381 h3 r90
  text "REC" at 373.253,0.381 h3 r90